# KiCad board PH60_Rev1.kicad_pcb
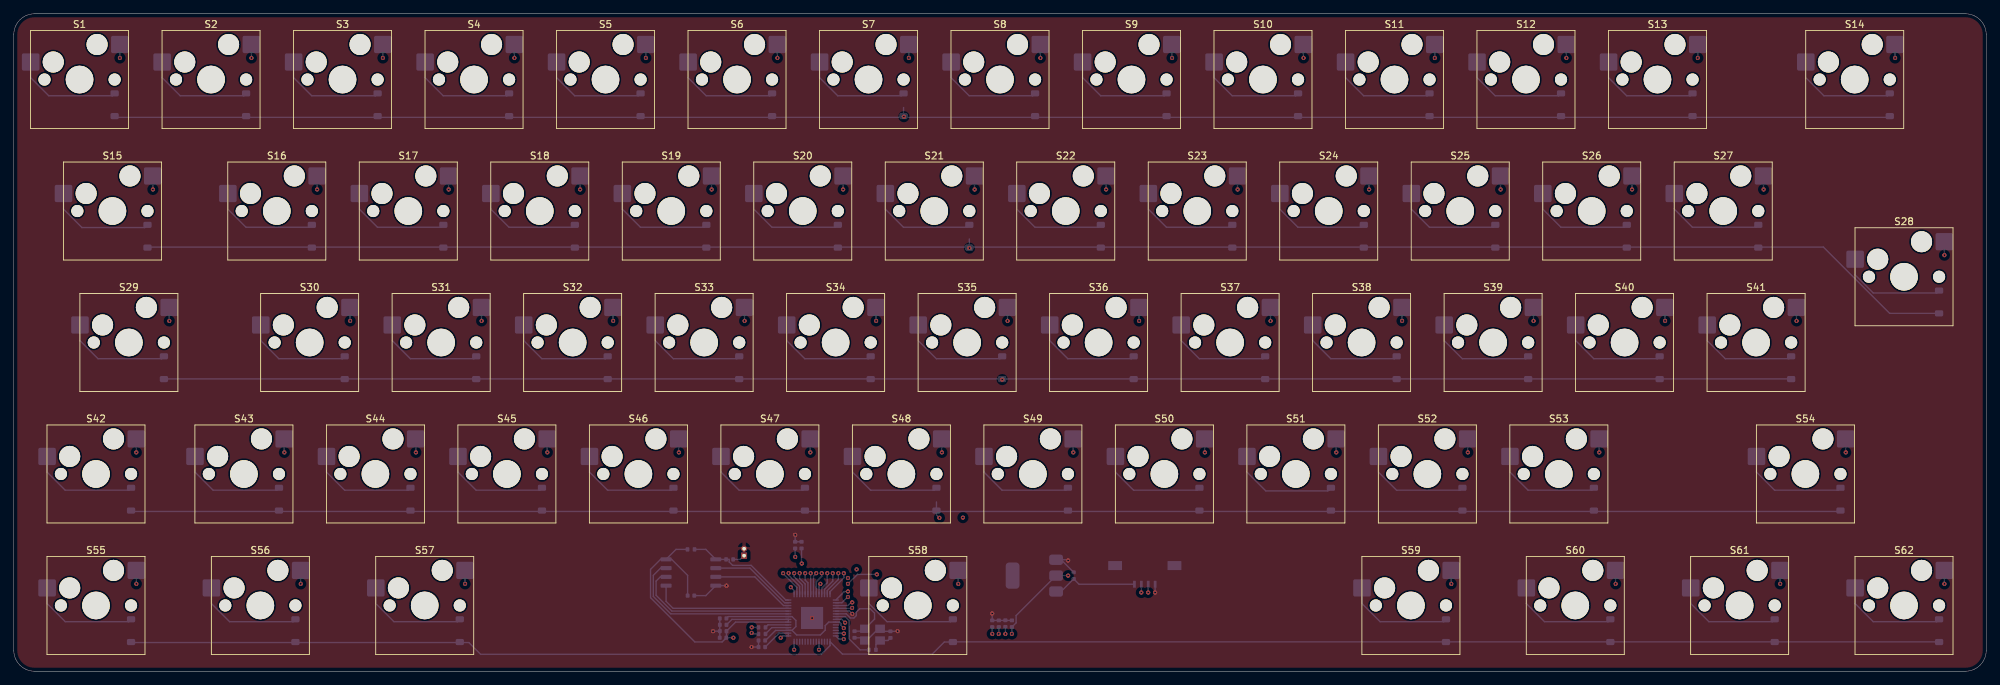
[diagram p0: board, top side]
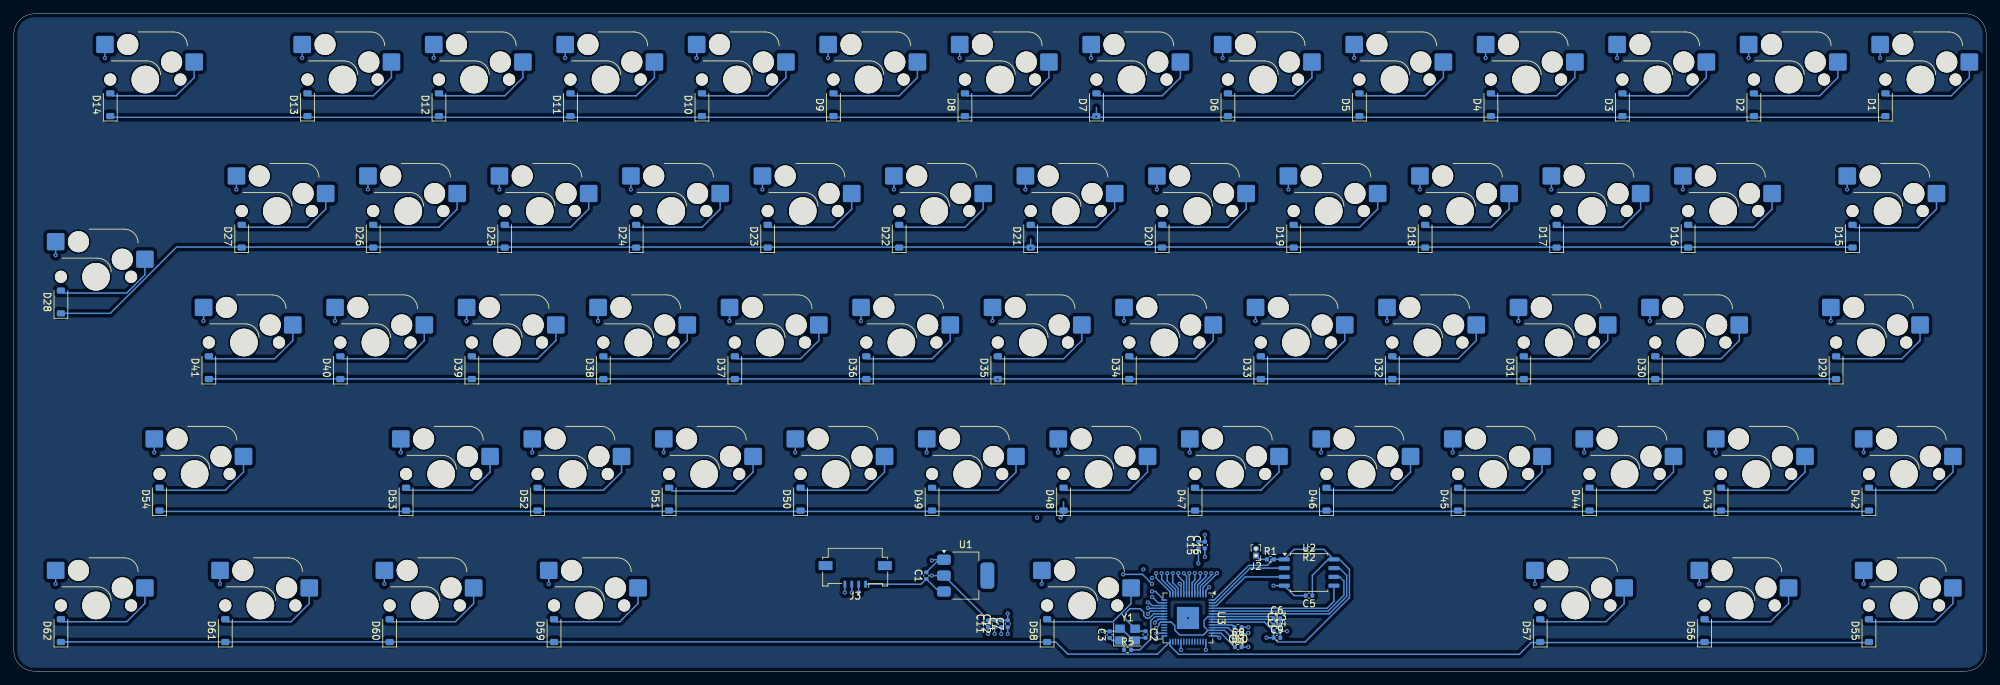
[diagram p1: board, bottom side, seen from below]

Outline 285.75 x 95.25 mm; copper layers: Top, In1.Cu, In2.Cu, Bottom. Coordinates in mm from the lower left corner of the outline.
Outline path: 0,92.25 0,3 arc(0.88,0.88) 3,0 282.75,0 arc(284.87,0.88) 285.75,3 285.75,92.25 arc(284.87,94.37) 282.75,95.25 3,95.25 arc(0.88,94.37) 0,92.25
Stack: Top 0.035mm / dielectric 0.1mm FR4 er 4.5 / In1.Cu 0.035mm / dielectric 1.24mm FR4 er 4.5 / In2.Cu 0.035mm / dielectric 0.1mm FR4 er 4.5 / Bottom 0.035mm

## Placement (name value [footprint] x y rotation side)
C1  10u  [C_0402_1005Metric]  153.55 13.85 90 bottom
C2  15p  [C_0402_1005Metric]  121.8 5.32 270 bottom
C3  15p  [C_0402_1005Metric]  127 5.3 90 bottom
C4  10u  [C_0402_1005Metric]  142.7 6.88 90 bottom
C5  100n  [C_0402_1005Metric]  98.1 10.95 0 bottom
C6  100n  [C_0402_1005Metric]  102.76 7.65 180 bottom
C7  100n  [C_0402_1005Metric]  141.75 6.88 90 bottom
C8  1u  [C_0402_1005Metric]  108.37 4.45 180 bottom
C9  100n  [C_0402_1005Metric]  102.75 4.85 180 bottom
C10  1u  [C_0402_1005Metric]  108.37 3.5 180 bottom
C11  100n  [C_0402_1005Metric]  144.6 6.88 90 bottom
C12  100n  [C_0402_1005Metric]  143.65 6.9 90 bottom
C13  100n  [C_0402_1005Metric]  102.77 6.72 180 bottom
C14  100n  [C_0402_1005Metric]  102.77 5.8 180 bottom
C15  100n  [C_0402_1005Metric]  114.12 18.27 90 bottom
C16  100n  [C_0402_1005Metric]  113.2 18.27 90 bottom
D1  DIODE  [D_SOD-123]  14.61 82.08 90 bottom
D2  DIODE  [D_SOD-123]  33.66 82.08 90 bottom
D3  DIODE  [D_SOD-123]  52.7 82.08 90 bottom
D4  DIODE  [D_SOD-123]  71.75 82.08 90 bottom
D5  DIODE  [D_SOD-123]  90.8 82.08 90 bottom
D6  DIODE  [D_SOD-123]  109.86 82.08 90 bottom
D7  DIODE  [D_SOD-123]  128.91 82.08 90 bottom
D8  DIODE  [D_SOD-123]  147.96 82.08 90 bottom
D9  DIODE  [D_SOD-123]  167.01 82.08 90 bottom
D10  DIODE  [D_SOD-123]  186.06 82.08 90 bottom
D11  DIODE  [D_SOD-123]  205.11 82.08 90 bottom
D12  DIODE  [D_SOD-123]  224.16 82.08 90 bottom
D13  DIODE  [D_SOD-123]  243.2 82.08 90 bottom
D14  DIODE  [D_SOD-123]  271.78 82.08 90 bottom
D15  DIODE  [D_SOD-123]  19.37 63.03 90 bottom
D16  DIODE  [D_SOD-123]  43.18 63.03 90 bottom
D17  DIODE  [D_SOD-123]  62.23 63.03 90 bottom
D18  DIODE  [D_SOD-123]  81.28 63.03 90 bottom
D19  DIODE  [D_SOD-123]  100.33 63.03 90 bottom
D20  DIODE  [D_SOD-123]  119.38 63.03 90 bottom
D21  DIODE  [D_SOD-123]  138.43 63.03 90 bottom
D22  DIODE  [D_SOD-123]  157.48 63.03 90 bottom
D23  DIODE  [D_SOD-123]  176.53 63.03 90 bottom
D24  DIODE  [D_SOD-123]  195.58 63.03 90 bottom
D25  DIODE  [D_SOD-123]  214.63 63.03 90 bottom
D26  DIODE  [D_SOD-123]  233.68 63.03 90 bottom
D27  DIODE  [D_SOD-123]  252.73 63.03 90 bottom
D28  DIODE  [D_SOD-123]  278.92 53.5 90 bottom
D29  DIODE  [D_SOD-123]  21.75 43.98 90 bottom
D30  DIODE  [D_SOD-123]  47.94 43.98 90 bottom
D31  DIODE  [D_SOD-123]  66.99 43.98 90 bottom
D32  DIODE  [D_SOD-123]  86.04 43.98 90 bottom
D33  DIODE  [D_SOD-123]  105.09 43.98 90 bottom
D34  DIODE  [D_SOD-123]  124.14 43.98 90 bottom
D35  DIODE  [D_SOD-123]  143.19 43.98 90 bottom
D36  DIODE  [D_SOD-123]  162.24 43.98 90 bottom
D37  DIODE  [D_SOD-123]  181.29 43.98 90 bottom
D38  DIODE  [D_SOD-123]  200.34 43.98 90 bottom
D39  DIODE  [D_SOD-123]  219.39 43.98 90 bottom
D40  DIODE  [D_SOD-123]  238.44 43.98 90 bottom
D41  DIODE  [D_SOD-123]  257.49 43.98 90 bottom
D42  DIODE  [D_SOD-123]  16.99 24.92 90 bottom
D43  DIODE  [D_SOD-123]  38.42 24.92 90 bottom
D44  DIODE  [D_SOD-123]  57.47 24.92 90 bottom
D45  DIODE  [D_SOD-123]  76.52 24.92 90 bottom
D46  DIODE  [D_SOD-123]  95.57 24.92 90 bottom
D47  DIODE  [D_SOD-123]  114.62 24.92 90 bottom
D48  DIODE  [D_SOD-123]  133.67 24.92 90 bottom
D49  DIODE  [D_SOD-123]  152.72 24.92 90 bottom
D50  DIODE  [D_SOD-123]  171.77 24.92 90 bottom
D51  DIODE  [D_SOD-123]  190.82 24.92 90 bottom
D52  DIODE  [D_SOD-123]  209.87 24.92 90 bottom
D53  DIODE  [D_SOD-123]  228.92 24.92 90 bottom
D54  DIODE  [D_SOD-123]  264.64 24.92 90 bottom
D55  DIODE  [D_SOD-123]  16.99 5.88 90 bottom
D56  DIODE  [D_SOD-123]  40.8 5.88 90 bottom
D57  DIODE  [D_SOD-123]  64.61 5.88 90 bottom
D58  DIODE  [D_SOD-123]  136.05 5.88 90 bottom
D59  DIODE  [D_SOD-123]  207.49 5.88 90 bottom
D60  DIODE  [D_SOD-123]  231.3 5.88 90 bottom
D61  DIODE  [D_SOD-123]  255.11 5.88 90 bottom
D62  DIODE  [D_SOD-123]  278.92 5.88 90 bottom
J2  Conn_01x02  [PinHeader_1x02_P1.00mm_Vertical]  105.8 16.75 0 bottom
J3  Conn_01x04  [Molex_200528-0040_1x04-1MP_P1.00mm_Horizontal]  163.85 13.51 0 bottom
R1  1k  [R_0402_1005Metric]  103.7 16.2 180 bottom
R2  DNF  [R_0402_1005Metric]  98.11 17.65 0 bottom
R3  27.4  [R_0402_1005Metric]  108.39 6.35 0 bottom
R4  27.4  [R_0402_1005Metric]  108.39 5.4 0 bottom
R5  1k  [R_0402_1005Metric]  124.39 3.1 180 bottom
S1  MX1A  [SW_Hotswap_Kailh_MX_1.00u]  9.53 85.72 0 top
S2  MX1A  [SW_Hotswap_Kailh_MX_1.00u]  28.57 85.72 0 top
S3  MX1A  [SW_Hotswap_Kailh_MX_1.00u]  47.62 85.72 0 top
S4  MX1A  [SW_Hotswap_Kailh_MX_1.00u]  66.67 85.72 0 top
S5  MX1A  [SW_Hotswap_Kailh_MX_1.00u]  85.72 85.72 0 top
S6  MX1A  [SW_Hotswap_Kailh_MX_1.00u]  104.77 85.72 0 top
S7  MX1A  [SW_Hotswap_Kailh_MX_1.00u]  123.83 85.72 0 top
S8  MX1A  [SW_Hotswap_Kailh_MX_1.00u]  142.88 85.72 0 top
S9  MX1A  [SW_Hotswap_Kailh_MX_1.00u]  161.93 85.72 0 top
S10  MX1A  [SW_Hotswap_Kailh_MX_1.00u]  180.98 85.72 0 top
S11  MX1A  [SW_Hotswap_Kailh_MX_1.00u]  200.03 85.72 0 top
S12  MX1A  [SW_Hotswap_Kailh_MX_1.00u]  219.08 85.72 0 top
S13  MX1A  [SW_Hotswap_Kailh_MX_1.00u]  238.12 85.72 0 top
S14  MX1A  [SW_Hotswap_Kailh_MX_2.00u]  266.7 85.72 0 top
S15  MX1A  [SW_Hotswap_Kailh_MX_1.50u]  14.29 66.68 0 top
S16  MX1A  [SW_Hotswap_Kailh_MX_1.00u]  38.1 66.68 0 top
S17  MX1A  [SW_Hotswap_Kailh_MX_1.00u]  57.15 66.68 0 top
S18  MX1A  [SW_Hotswap_Kailh_MX_1.00u]  76.2 66.68 0 top
S19  MX1A  [SW_Hotswap_Kailh_MX_1.00u]  95.25 66.68 0 top
S20  MX1A  [SW_Hotswap_Kailh_MX_1.00u]  114.3 66.68 0 top
S21  MX1A  [SW_Hotswap_Kailh_MX_1.00u]  133.35 66.68 0 top
S22  MX1A  [SW_Hotswap_Kailh_MX_1.00u]  152.4 66.68 0 top
S23  MX1A  [SW_Hotswap_Kailh_MX_1.00u]  171.45 66.68 0 top
S24  MX1A  [SW_Hotswap_Kailh_MX_1.00u]  190.5 66.68 0 top
S25  MX1A  [SW_Hotswap_Kailh_MX_1.00u]  209.55 66.68 0 top
S26  MX1A  [SW_Hotswap_Kailh_MX_1.00u]  228.6 66.68 0 top
S27  MX1A  [SW_Hotswap_Kailh_MX_1.00u]  247.65 66.68 0 top
S28  MX1A  [SW_Hotswap_Kailh_MX_ISOEnter]  273.84 57.15 0 top
S29  MX1A  [SW_Hotswap_Kailh_MX_1.75u]  16.67 47.62 0 top
S30  MX1A  [SW_Hotswap_Kailh_MX_1.00u]  42.86 47.62 0 top
S31  MX1A  [SW_Hotswap_Kailh_MX_1.00u]  61.91 47.62 0 top
S32  MX1A  [SW_Hotswap_Kailh_MX_1.00u]  80.96 47.62 0 top
S33  MX1A  [SW_Hotswap_Kailh_MX_1.00u]  100.01 47.62 0 top
S34  MX1A  [SW_Hotswap_Kailh_MX_1.00u]  119.06 47.62 0 top
S35  MX1A  [SW_Hotswap_Kailh_MX_1.00u]  138.11 47.62 0 top
S36  MX1A  [SW_Hotswap_Kailh_MX_1.00u]  157.16 47.62 0 top
S37  MX1A  [SW_Hotswap_Kailh_MX_1.00u]  176.21 47.62 0 top
S38  MX1A  [SW_Hotswap_Kailh_MX_1.00u]  195.26 47.62 0 top
S39  MX1A  [SW_Hotswap_Kailh_MX_1.00u]  214.31 47.62 0 top
S40  MX1A  [SW_Hotswap_Kailh_MX_1.00u]  233.36 47.62 0 top
S41  MX1A  [SW_Hotswap_Kailh_MX_1.00u]  252.41 47.62 0 top
S42  MX1A  [SW_Hotswap_Kailh_MX_1.25u]  11.91 28.58 0 top
S43  MX1A  [SW_Hotswap_Kailh_MX_1.00u]  33.34 28.58 0 top
S44  MX1A  [SW_Hotswap_Kailh_MX_1.00u]  52.39 28.58 0 top
S45  MX1A  [SW_Hotswap_Kailh_MX_1.00u]  71.44 28.58 0 top
S46  MX1A  [SW_Hotswap_Kailh_MX_1.00u]  90.49 28.58 0 top
S47  MX1A  [SW_Hotswap_Kailh_MX_1.00u]  109.54 28.58 0 top
S48  MX1A  [SW_Hotswap_Kailh_MX_1.00u]  128.59 28.58 0 top
S49  MX1A  [SW_Hotswap_Kailh_MX_1.00u]  147.64 28.58 0 top
S50  MX1A  [SW_Hotswap_Kailh_MX_1.00u]  166.69 28.58 0 top
S51  MX1A  [SW_Hotswap_Kailh_MX_1.00u]  185.74 28.58 0 top
S52  MX1A  [SW_Hotswap_Kailh_MX_1.00u]  204.79 28.58 0 top
S53  MX1A  [SW_Hotswap_Kailh_MX_1.00u]  223.84 28.58 0 top
S54  MX1A  [SW_Hotswap_Kailh_MX_2.75u]  259.56 28.58 0 top
S55  MX1A  [SW_Hotswap_Kailh_MX_1.25u]  11.91 9.53 0 top
S56  MX1A  [SW_Hotswap_Kailh_MX_1.25u]  35.72 9.53 0 top
S57  MX1A  [SW_Hotswap_Kailh_MX_1.25u]  59.53 9.53 0 top
S58  MX1A  [SW_Hotswap_Kailh_MX_6.25u]  130.97 9.53 0 top
S59  MX1A  [SW_Hotswap_Kailh_MX_1.25u]  202.41 9.53 0 top
S60  MX1A  [SW_Hotswap_Kailh_MX_1.25u]  226.22 9.53 0 top
S61  MX1A  [SW_Hotswap_Kailh_MX_1.25u]  250.03 9.53 0 top
S62  MX1A  [SW_Hotswap_Kailh_MX_1.25u]  273.84 9.53 0 top
U1  NCP1117-3.3_SOT223  [SOT-223]  147.85 13.85 180 bottom
U2  W25Q128JVS  [SOIC-8_5.23x5.23mm_P1.27mm]  98.1 14.3 180 bottom
U3  RP2040  [QFN-56-1EP_7x7mm_P0.4mm_EP3.2x3.2mm]  115.65 7.71 270 bottom
Y1  Crystal_GND24  [Crystal_SMD_3225-4Pin_3.2x2.5mm]  124.4 5.3 180 bottom

## Library data of the parts
C1-C16 = -: Description: Unpolarized capacitor; ki_fp_filters: C_*
D1-D62 = -: Description: Diode; Sim.Device: D; Sim.Pins: 1=K 2=A; ki_fp_filters: TO-???* *_Diode_* *SingleDiode* D_*
J2 = -: Description: Generic connector, single row, 01x02, script generated (kicad-library-utils/schlib/autogen/connector/); ki_fp_filters: Connector*:*_1x??_*
J3 = -: Description: Generic connector, single row, 01x04, script generated (kicad-library-utils/schlib/autogen/connector/); ki_fp_filters: Connector*:*_1x??_*
R1-R5 = -: Description: Resistor; ki_fp_filters: R_*
S1-S62 = -: Description: Push button switch, generic, two pins
U1 = -: Datasheet: http://www.onsemi.com/pub_link/Collateral/NCP1117-D.PDF; Description: 1A Low drop-out regulator, Fixed Output 3.3V, SOT-223; ki_fp_filters: SOT?223*TabPin2*
U2 = -: Datasheet: http://www.winbond.com/resource-files/w25q128jv_dtr%20revc%2003272018%20plus.pdf; Description: 128Mb Serial Flash Memory, Standard/Dual/Quad SPI, SOIC-8; ki_fp_filters: SOIC*5.23x5.23mm*P1.27mm*
U3 = -: Datasheet: https://datasheets.raspberrypi.com/rp2040/rp2040-datasheet.pdf; Description: A microcontroller by Raspberry Pi; ki_fp_filters: QFN*1EP*7x7mm?P0.4mm*
Y1 = -: Description: Four pin crystal, GND on pins 2 and 4; ki_fp_filters: Crystal*

## Footprints (pads in the part's own frame, mm; a bottom-side part is the same pattern mirrored in y, then rotated)
C_0402_1005Metric
  rrect 0.56x0.62 smd: 1(-0.48,0) 2(0.48,0)
Crystal_SMD_3225-4Pin_3.2x2.5mm
  rect 1.4x1.2 smd: 1(-1.1,-0.85) 2(1.1,-0.85) 3(1.1,0.85) 4(-1.1,0.85)
D_SOD-123
  rrect 0.9x1.2 smd: 1(-1.65,0) 2(1.65,0)
Molex_200528-0040_1x04-1MP_P1.00mm_Horizontal
  rect 0.4x1 smd: 1(-1.5,0.91) 2(-0.5,0.91) 3(0.5,0.91) 4(1.5,0.91)
  rect 2x1.3 smd: MP(-4.3,-1.79) MP(4.3,-1.79)
PinHeader_1x02_P1.00mm_Vertical
  rect 0.85x0.85 hole 0.5: 1(0,0)
  oval 0.85x0.85 hole 0.5: 2(0,-1)
QFN-56-1EP_7x7mm_P0.4mm_EP3.2x3.2mm
  rrect 1.29x1.29 smd: (-0.8,-0.8) (-0.8,0.8) (0.8,-0.8) (0.8,0.8)
  rrect 0.875x0.2 smd: 1(-3.438,2.6) 2(-3.438,2.2) 3(-3.438,1.8) 4(-3.438,1.4) 5(-3.438,1) 6(-3.438,0.6) 7(-3.438,0.2) 8(-3.438,-0.2) 9(-3.438,-0.6) 10(-3.438,-1) 11(-3.438,-1.4) 12(-3.438,-1.8) 13(-3.438,-2.2) 14(-3.438,-2.6) 29(3.438,-2.6) 30(3.438,-2.2) 31(3.438,-1.8) 32(3.438,-1.4) 33(3.438,-1) 34(3.438,-0.6) 35(3.438,-0.2) 36(3.438,0.2) 37(3.438,0.6) 38(3.438,1) 39(3.438,1.4) 40(3.438,1.8) 41(3.438,2.2) 42(3.438,2.6)
  rrect 0.2x0.875 smd: 15(-2.6,-3.438) 16(-2.2,-3.438) 17(-1.8,-3.438) 18(-1.4,-3.438) 19(-1,-3.438) 20(-0.6,-3.438) 21(-0.2,-3.438) 22(0.2,-3.438) 23(0.6,-3.438) 24(1,-3.438) 25(1.4,-3.438) 26(1.8,-3.438) 27(2.2,-3.438) 28(2.6,-3.438) 43(2.6,3.438) 44(2.2,3.438) 45(1.8,3.438) 46(1.4,3.438) 47(1,3.438) 48(0.6,3.438) 49(0.2,3.438) 50(-0.2,3.438) 51(-0.6,3.438) 52(-1,3.438) 53(-1.4,3.438) 54(-1.8,3.438) 55(-2.2,3.438) 56(-2.6,3.438)
  rect 3.2x3.2 smd: 57(0,0)
R_0402_1005Metric
  rrect 0.54x0.64 smd: 1(-0.51,0) 2(0.51,0)
SOIC-8_5.23x5.23mm_P1.27mm
  rrect 1.6x0.6 smd: 1(-3.6,1.905) 2(-3.6,0.635) 3(-3.6,-0.635) 4(-3.6,-1.905) 5(3.6,-1.905) 6(3.6,-0.635) 7(3.6,0.635) 8(3.6,1.905)
SOT-223
  rrect 2x1.5 smd: 1(-3.15,2.3) 2(-3.15,0) 3(-3.15,-2.3)
  rrect 2x3.8 smd: 4(3.15,0)
SW_Hotswap_Kailh_MX_1.00u
  round 1.75 hole 1.75 unplated: (-5.08,0) (5.08,0)
  round 3.05 hole 3.05 unplated: (-3.81,2.54) (2.54,5.08)
  round 4 hole 4 unplated: (0,0)
  rrect 2.55x2.5 smd far side: 1(-7.085,2.54) 2(5.842,5.08)
SW_Hotswap_Kailh_MX_1.25u
  round 1.75 hole 1.75 unplated: (-5.08,0) (5.08,0)
  round 3.05 hole 3.05 unplated: (-3.81,2.54) (2.54,5.08)
  round 4 hole 4 unplated: (0,0)
  rrect 2.55x2.5 smd far side: 1(-7.085,2.54) 2(5.842,5.08)
SW_Hotswap_Kailh_MX_1.50u
  round 1.75 hole 1.75 unplated: (-5.08,0) (5.08,0)
  round 3.05 hole 3.05 unplated: (-3.81,2.54) (2.54,5.08)
  round 4 hole 4 unplated: (0,0)
  rrect 2.55x2.5 smd far side: 1(-7.085,2.54) 2(5.842,5.08)
SW_Hotswap_Kailh_MX_1.75u
  round 1.75 hole 1.75 unplated: (-5.08,0) (5.08,0)
  round 3.05 hole 3.05 unplated: (-3.81,2.54) (2.54,5.08)
  round 4 hole 4 unplated: (0,0)
  rrect 2.55x2.5 smd far side: 1(-7.085,2.54) 2(5.842,5.08)
SW_Hotswap_Kailh_MX_2.00u
  round 1.75 hole 1.75 unplated: (-5.08,0) (5.08,0)
  round 3.05 hole 3.05 unplated: (-3.81,2.54) (2.54,5.08)
  round 4 hole 4 unplated: (0,0)
  rrect 2.55x2.5 smd far side: 1(-7.085,2.54) 2(5.842,5.08)
SW_Hotswap_Kailh_MX_2.75u
  round 1.75 hole 1.75 unplated: (-5.08,0) (5.08,0)
  round 3.05 hole 3.05 unplated: (-3.81,2.54) (2.54,5.08)
  round 4 hole 4 unplated: (0,0)
  rrect 2.55x2.5 smd far side: 1(-7.085,2.54) 2(5.842,5.08)
SW_Hotswap_Kailh_MX_6.25u
  round 1.75 hole 1.75 unplated: (-5.08,0) (5.08,0)
  round 3.05 hole 3.05 unplated: (-3.81,2.54) (2.54,5.08)
  round 4 hole 4 unplated: (0,0)
  rrect 2.55x2.5 smd far side: 1(-7.085,2.54) 2(5.842,5.08)
SW_Hotswap_Kailh_MX_ISOEnter
  round 1.75 hole 1.75 unplated: (-5.08,0) (5.08,0)
  round 3.05 hole 3.05 unplated: (-3.81,2.54) (2.54,5.08)
  round 4 hole 4 unplated: (0,0)
  rrect 2.55x2.5 smd far side: 1(-7.085,2.54) 2(5.842,5.08)

## Nets
+1V1: C6.1 C7.1 C8.1 U3.23 U3.45 U3.50
+3V3: C4.1 C5.1 C9.1 C10.1 C11.1 C12.1 C13.1 C14.1 C15.1 C16.1 R2.1 U1.2 U2.8 U3.1 U3.10 U3.22 U3.33 U3.42 U3.43 U3.44 U3.48 U3.49
GND: C1.2 C2.2 C3.2 C4.2 C5.2 C6.2 C7.2 C8.2 C9.2 C10.2 C11.2 C12.2 C13.2 C14.2 C15.2 C16.2 J2.2 J3.4 U1.1 U2.4 U3.19 U3.57 Y1.2 Y1.4
VBUS: C1.1 J3.1 U1.3
/QSPI_SCLK: U2.6 U3.52
/QSPI_SD0: U2.5 U3.53
/QSPI_SD1: U2.2 U3.55
/QSPI_SD2: U2.3 U3.54
/QSPI_SD3: U2.7 U3.51
/QSPI_SS: R1.2 R2.2 U2.1 U3.56
/RUN: U3.26
/SWCLK: U3.24
/SWD: U3.25
/USB_D+: J3.3 R3.1
/USB_D-: J3.2 R4.1
/XIN: C2.1 U3.20 Y1.3
/XOUT: R5.2 U3.21
/~{USB_BOOT}: J2.1 R1.1
col_0: S1.2 S15.2 S29.2 S42.2 S55.2 U3.2
col_1: S2.2 S16.2 S30.2 S43.2 S56.2 U3.3
col_2: S3.2 S17.2 S31.2 S44.2 S57.2 U3.4
col_3: S4.2 S18.2 S32.2 S45.2 U3.5
col_4: S5.2 S19.2 S33.2 S46.2 U3.6
col_5: S6.2 S20.2 S34.2 S47.2 U3.7
col_6: S7.2 S21.2 S35.2 S48.2 S58.2 U3.8
col_7: S8.2 S22.2 S36.2 S49.2 U3.9
col_8: S9.2 S23.2 S37.2 S50.2 U3.11
col_9: S10.2 S24.2 S38.2 S51.2 S59.2 U3.12
col_10: S11.2 S25.2 S39.2 S52.2 S60.2 U3.13
col_11: S12.2 S26.2 S40.2 S53.2 S61.2 U3.14
col_12: S13.2 S27.2 U3.15
col_13: S14.2 S28.2 S41.2 S54.2 S62.2 U3.16
row_0: D1.1 D2.1 D3.1 D4.1 D5.1 D6.1 D7.1 D8.1 D9.1 D10.1 D11.1 D12.1 D13.1 D14.1 U3.17
row_1: D15.1 D16.1 D17.1 D18.1 D19.1 D20.1 D21.1 D22.1 D23.1 D24.1 D25.1 D26.1 D27.1 D28.1 U3.18
row_2: D29.1 D30.1 D31.1 D32.1 D33.1 D34.1 D35.1 D36.1 D37.1 D38.1 D39.1 D40.1 D41.1 U3.27
row_3: D42.1 D43.1 D44.1 D45.1 D46.1 D47.1 D48.1 D49.1 D50.1 D51.1 D52.1 D53.1 D54.1 U3.28
row_4: D55.1 D56.1 D57.1 D58.1 D59.1 D60.1 D61.1 D62.1 U3.29
Net-(C3-Pad1): C3.1 R5.1 Y1.1
Net-(D1-A): D1.2 S1.1
Net-(D2-A): D2.2 S2.1
Net-(D3-A): D3.2 S3.1
Net-(D4-A): D4.2 S4.1
Net-(D5-A): D5.2 S5.1
Net-(D6-A): D6.2 S6.1
Net-(D7-A): D7.2 S7.1
Net-(D8-A): D8.2 S8.1
Net-(D9-A): D9.2 S9.1
Net-(D10-A): D10.2 S10.1
Net-(D11-A): D11.2 S11.1
Net-(D12-A): D12.2 S12.1
Net-(D13-A): D13.2 S13.1
Net-(D14-A): D14.2 S14.1
Net-(D15-A): D15.2 S15.1
Net-(D16-A): D16.2 S16.1
Net-(D17-A): D17.2 S17.1
Net-(D18-A): D18.2 S18.1
Net-(D19-A): D19.2 S19.1
Net-(D20-A): D20.2 S20.1
Net-(D21-A): D21.2 S21.1
Net-(D22-A): D22.2 S22.1
Net-(D23-A): D23.2 S23.1
Net-(D24-A): D24.2 S24.1
Net-(D25-A): D25.2 S25.1
Net-(D26-A): D26.2 S26.1
Net-(D27-A): D27.2 S27.1
Net-(D28-A): D28.2 S28.1
Net-(D29-A): D29.2 S29.1
Net-(D30-A): D30.2 S30.1
Net-(D31-A): D31.2 S31.1
Net-(D32-A): D32.2 S32.1
Net-(D33-A): D33.2 S33.1
Net-(D34-A): D34.2 S34.1
Net-(D35-A): D35.2 S35.1
Net-(D36-A): D36.2 S36.1
Net-(D37-A): D37.2 S37.1
Net-(D38-A): D38.2 S38.1
Net-(D39-A): D39.2 S39.1
Net-(D40-A): D40.2 S40.1
Net-(D41-A): D41.2 S41.1
Net-(D42-A): D42.2 S42.1
Net-(D43-A): D43.2 S43.1
Net-(D44-A): D44.2 S44.1
Net-(D45-A): D45.2 S45.1
Net-(D46-A): D46.2 S46.1
Net-(D47-A): D47.2 S47.1
Net-(D48-A): D48.2 S48.1
Net-(D49-A): D49.2 S49.1
Net-(D50-A): D50.2 S50.1
Net-(D51-A): D51.2 S51.1
Net-(D52-A): D52.2 S52.1
Net-(D53-A): D53.2 S53.1
Net-(D54-A): D54.2 S54.1
Net-(D55-A): D55.2 S55.1
Net-(D56-A): D56.2 S56.1
Net-(D57-A): D57.2 S57.1
Net-(D58-A): D58.2 S58.1
Net-(D59-A): D59.2 S59.1
Net-(D60-A): D60.2 S60.1
Net-(D61-A): D61.2 S61.1
Net-(D62-A): D62.2 S62.1
Net-(U3-USB_DM): R4.2 U3.46
Net-(U3-USB_DP): R3.2 U3.47

Pads without a net: J3 MP; U1 4; U3 30 31 32 34 35 36 37 38 39 40 41

## Via types
v1: diameter 0.6, hole 0.3, Top to Bottom, 118 vias

## Routing (per net, layer and track width the routed paths; a pad name or vN(x,y) marks a point on that pad's centre or on a via; arc(x,y) is an arc through that point)
+1V1: length 53.2
  In2.Cu w0.2: v1(141.75,5.4) 138.85,2.5 121.55,2.5 119.65,4.4 119.65,5.7 120.2,6.25 v1(120.25,6.25)
  Bottom w0.2: 112.75,5.91 113.41,5.25 116.85,5.25 117.55,5.95 117.55,6.6 118.06,7.11 U3.23 119.62,7.11 119.83,6.91 119.83,6.67 v1(120.25,6.25) ; 112.75,5.91 113.3,6.47 113.3,7.36 112.75,7.91 U3.50 103.5,7.91 C6.1 ; 112.75,5.91 U3.45 110.36,5.91 108.9,4.45 C8.1 ; C7.1 v1(141.75,5.4)
+3V3: length 199.4
  In1.Cu w0.2: v1(144.6,5.4) 141.7,2.5 113.65,2.5 v1(113.05,3.1) ; v1(116.65,3.1) 116.85,2.9 141.15,2.9 v1(143.65,5.4) ; v1(113.2,16.55) 111.65,16.55 110.3,15.2 110.3,13.7 111.83,12.17 v1(112.57,12.17) ; v1(116.85,12.66) 115.91,13.6 111.2,13.6 110.85,13.95 110.85,14.45 112,15.6 v1(114.15,15.6)
  In2.Cu w0.2: v1(142.7,5.4) 139.4,2.1 121.39,2.1 119.25,4.24 119.25,6.1 120.18,7.03 v1(120.44,7.03) ; v1(111.1,4.85) v1(104.25,4.85)
  Bottom w0.2: v1(116.85,12.66) 116.65,12.46 U3.10 ; U2.8 93.7,16.2 92.25,14.75 92.25,10.65 98.66,4.24 102.62,4.24 C9.1 ; U2.8 95.3,16.2 97.62,13.88 C5.1 ; U2.8 95.94,17.65 R2.1 ; v1(120.44,7.03) 119.95,7.51 U3.22 ; C16.1 v1(113.2,16.55) ; v1(112.57,12.17) 113.05,11.69 U3.1 ; C9.1 103.25,4.87 C14.1 104.56,7.11 U3.48 U3.49 104.04,7.51 C13.1 ; C9.1 v1(104.25,4.85) ; C12.1 v1(143.65,5.4) ; v1(144.6,5.4) C11.1 145.21,7.01 145.21,8.06 U1.2 v1(152.75,13.85) ; U3.42 v1(113.05,3.1) ; C15.1 114.12,15.63 v1(114.15,15.6) ; C10.1 110.86,5.51 U3.44 U3.43 111.36,5.11 v1(111.1,4.85) ; C4.1 v1(142.7,5.4) ; U3.33 v1(116.65,3.1)
GND: length 32.9
  Bottom w0.2: C15.2 C16.2 v1(113.2,19.75) ; 102.28,7.65 102.28,4.86 C9.2 ; C8.2 C10.2 v1(106.9,3.5) ; C11.2 C7.2 v1(141.75,8.35) ; v1(128.05,5.8) 128.03,5.78 C3.2 125.87,5.78 Y1.4 125.25,6.15 123.55,4.45 Y1.2 122.91,4.84 C2.2 ; C14.2 v1(101.3,5.8) ; 153.55,14.33 151.73,16.15 U1.1 152.65,16.15 v1(152.75,16.05) ; v1(103.25,12.4) 103.24,12.39 U2.4 100.26,10.95 C5.2 ; v1(121.46,8.31) 121.05,8.71 U3.19 ; J3.4 v1(165.35,11.4) ; U3.57 v1(115.65,7.7)
VBUS: length 12.4
  Bottom w0.2: 151,11.55 151.73,11.55 C1.1 154.32,12.6 J3.1
/QSPI_SCLK: length 23.9
  Bottom w0.2: U2.6 93.66,13.67 93.05,13.05 93.05,11 95.34,8.71 U3.52
/QSPI_SD0: length 20.4
  Bottom w0.2: U2.5 94.5,10.12 95.5,9.11 U3.53
/QSPI_SD1: length 12.6
  Bottom w0.2: U2.2 106.66,14.94 111.68,9.91 U3.55
/QSPI_SD2: length 12.2
  Bottom w0.2: U3.54 111.51,9.51 107.36,13.67 U2.3
/QSPI_SD3: length 25.9
  Bottom w0.2: U2.7 93.7,14.94 92.65,13.88 92.65,10.83 95.17,8.31 U3.51
/QSPI_SS: length 16.8
  Bottom w0.2: U3.56 111.84,10.31 106.82,15.34 104.14,15.34 103.64,15.83 103.64,16.2 103.19,16.2 103.18,16.2 U2.1 100.26,17.65 R2.2
/USB_D+: length 67.1
  In1.Cu w0.2: v1(164.35,11.4) 154.65,1.7 109.9,1.7 106.3,5.3 106.3,5.8 106.85,6.35 v1(106.9,6.35)
  Bottom w0.2: R3.1 v1(106.9,6.35) ; J3.3 v1(164.35,11.4)
/USB_D-: length 64
  In1.Cu w0.2: v1(106.9,5.55) 110.35,2.1 154.05,2.1 v1(163.35,11.4)
  Bottom w0.2: R4.1 107.05,5.4 v1(106.9,5.55) ; J3.2 v1(163.35,11.4)
/XIN: length 11.5
  Bottom w0.2: C2.1 122.95,5.8 Y1.3 124.7,7.55 124.7,8.42 124.07,9.05 122.55,9.05 122.06,8.56 122.06,8.06 121.71,7.71 121.21,7.71 120.6,8.31 U3.20
/XOUT: length 8.3
  Bottom w0.2: R5.2 122.6,3.1 121.04,4.67 121.04,7.31 120.44,7.91 U3.21
/~{USB_BOOT}: length 1.8
  Bottom w0.2: J2.1 105.25,16.2 R1.1
col_0: length 196.1
  In1.Cu w0.2: v1(15.38,88.85) 20.15,84.08 v1(20.15,69.8) 22.53,67.43 v1(22.53,50.75) 22.53,50.16 17.75,45.38 v1(17.75,31.7) 18.21,31.24 18.21,13.11 v1(17.75,12.65)
  In2.Cu w0.2: v1(111.45,14.2) 100.62,25.03 24.43,25.03 v1(17.75,31.7)
  Bottom w0.2: S29.2 22.51,50.76 v1(22.53,50.75) ; S42.2 v1(17.75,31.7) ; S15.2 20.13,69.82 v1(20.15,69.8) ; v1(15.38,88.85) 15.37,88.86 S1.2 ; v1(17.75,12.65) 17.75,12.65 S55.2 ; v1(111.45,14.2) 111.45,14.14 113.45,12.14 U3.2
col_1: length 180.9
  In1.Cu w0.2: v1(34.42,88.85) 43.95,79.33 v1(43.95,69.8) 48.72,65.03 v1(48.72,50.75) 48.72,50.16 39.2,40.64 v1(39.2,31.7) 41.58,29.33 v1(41.58,12.65)
  In2.Cu w0.2: v1(112.25,14.2) 112.25,14.25 101.07,25.42 45.47,25.42 v1(39.2,31.7)
  Bottom w0.2: v1(112.25,14.2) 112.25,13.91 113.85,12.31 U3.3 ; S30.2 48.7,50.77 v1(48.72,50.75) ; v1(39.2,31.7) 39.18,31.72 S43.2 ; S16.2 43.94,69.81 v1(43.95,69.8) ; v1(34.42,88.85) 34.42,88.86 S2.2 ; S56.2 41.56,12.66 v1(41.58,12.65)
col_2: length 164.4
  In1.Cu w0.2: v1(53.47,88.85) 63,79.33 v1(63,69.8) 67.77,65.03 v1(67.77,50.75) 67.77,50.16 58.25,40.64 v1(58.25,31.7) 65.38,24.58 v1(65.38,12.65)
  In2.Cu w0.2: v1(113.05,14.2) 113.05,14.25 101.47,25.83 64.12,25.83 v1(58.25,31.7)
  Bottom w0.2: v1(53.47,88.85) 53.47,88.86 S3.2 ; S44.2 58.23,31.72 v1(58.25,31.7) ; U3.4 114.25,12.47 113.05,13.67 v1(113.05,14.2) ; S57.2 65.37,12.65 v1(65.38,12.65) ; v1(63,69.8) 62.99,69.81 S17.2 ; S31.2 67.75,50.77 v1(67.77,50.75)
col_3: length 122.1
  In1.Cu w0.2: v1(77.3,31.7) 77.3,40.64 86.83,50.16 v1(86.83,50.75) 86.83,65.03 v1(82.05,69.8) 82.05,79.33 v1(72.52,88.85)
  In2.Cu w0.2: v1(113.85,14.2) 113.85,14.25 101.87,26.23 82.77,26.23 v1(77.3,31.7)
  Bottom w0.2: v1(72.52,88.85) 72.52,88.86 S4.2 ; v1(82.05,69.8) 82.04,69.81 S18.2 ; v1(77.3,31.7) 77.28,31.72 S45.2 ; v1(86.83,50.75) 86.8,50.77 S32.2 ; U3.5 114.65,12.64 113.85,13.44 v1(113.85,14.2)
col_4: length 103.7
  In1.Cu w0.2: v1(96.35,31.7) 96.35,40.64 105.87,50.16 v1(105.87,50.75) 105.87,65.03 v1(101.1,69.8) 101.1,79.33 v1(91.58,88.85)
  In2.Cu w0.2: v1(114.65,14.2) 114.65,14.25 97.2,31.7 v1(96.35,31.7)
  Bottom w0.2: v1(96.35,31.7) 96.33,31.72 S46.2 ; S19.2 101.09,69.81 v1(101.1,69.8) ; v1(114.65,14.2) 114.65,13.2 115.05,12.8 U3.6 ; v1(105.87,50.75) 105.85,50.77 S33.2 ; v1(91.58,88.85) 91.57,88.86 S5.2
col_5: length 95.8
  In1.Cu w0.2: v1(115.4,31.7) 115.4,40.64 124.92,50.16 v1(124.92,50.75) 124.92,65.03 v1(120.15,69.8) 120.15,79.33 v1(110.62,88.85)
  In2.Cu w0.2: v1(115.4,31.7) 115.84,31.26 115.84,28.07 115.45,27.68 v1(115.45,14.2)
  Bottom w0.2: v1(110.62,88.85) 110.62,88.86 S6.2 ; S47.2 115.38,31.72 v1(115.4,31.7) ; S20.2 120.14,69.81 v1(120.15,69.8) ; U3.7 v1(115.45,14.2) ; v1(124.92,50.75) 124.9,50.77 S34.2
col_6: length 125.9
  In1.Cu w0.2: v1(136.83,12.65) 136.83,29.33 v1(134.45,31.7) 134.45,40.64 143.98,50.16 v1(143.98,50.75) 143.98,65.03 v1(139.2,69.8) 139.2,79.33 v1(129.68,88.85)
  In2.Cu w0.2: v1(134.45,31.7) 134.45,31.1 129.58,26.23 128.23,26.23 116.25,14.25 v1(116.25,14.2)
  Bottom w0.2: v1(129.68,88.85) 129.67,88.86 S7.2 ; v1(136.83,12.65) 136.81,12.66 S58.2 ; v1(116.25,14.2) 116.25,14.15 115.85,13.75 U3.8 ; v1(139.2,69.8) 139.19,69.81 S21.2 ; v1(143.98,50.75) 143.95,50.77 S35.2 ; v1(134.45,31.7) 134.43,31.72 S48.2
col_7: length 122.3
  In1.Cu w0.2: v1(148.73,88.85) 158.25,79.33 v1(158.25,69.8) 163.03,65.03 v1(163.03,50.75) 163.03,50.16 153.5,40.64 v1(153.5,31.7)
  In2.Cu w0.2: v1(117.05,14.2) 117.05,14.25 128.63,25.83 148.21,25.83 153.5,31.11 v1(153.5,31.7)
  Bottom w0.2: v1(163.03,50.75) 163,50.77 S36.2 ; S49.2 153.48,31.72 v1(153.5,31.7) ; U3.9 116.25,12.95 117.05,13.75 v1(117.05,14.2) ; v1(148.73,88.85) 148.72,88.86 S8.2 ; S22.2 158.24,69.81 v1(158.25,69.8)
col_8: length 140.6
  In1.Cu w0.2: v1(167.8,88.85) 177.3,79.35 v1(177.3,69.8) 182.08,65.03 v1(182.08,50.75) 182.08,50.16 172.55,40.64 v1(172.55,31.7)
  In2.Cu w0.2: v1(172.55,31.7) 172.55,31.11 166.86,25.42 129.03,25.42 117.85,14.25 v1(117.85,14.2)
  Bottom w0.2: v1(117.85,14.2) 117.85,12.82 117.05,12.02 U3.11 ; S9.2 167.77,88.88 v1(167.8,88.85) ; S23.2 177.29,69.81 v1(177.3,69.8) ; S50.2 172.53,31.72 v1(172.55,31.7) ; v1(182.08,50.75) 182.05,50.77 S37.2
col_9: length 186.9
  In1.Cu w0.2: v1(208.25,12.65) 208.25,15.05 v1(191.6,31.7) 191.6,40.64 201.12,50.16 v1(201.12,50.75) 201.12,65.03 v1(196.35,69.8) 196.35,79.35 v1(186.85,88.85)
  In2.Cu w0.2: v1(118.65,14.2) 118.65,14.25 129.43,25.03 185.53,25.03 191.6,31.1 v1(191.6,31.7)
  Bottom w0.2: S10.2 186.82,88.88 v1(186.85,88.85) ; S38.2 201.1,50.77 v1(201.12,50.75) ; S24.2 196.34,69.81 v1(196.35,69.8) ; v1(191.6,31.7) 191.58,31.72 S51.2 ; S59.2 208.25,12.65 v1(208.25,12.65) ; U3.12 117.45,11.85 118.65,13.05 v1(118.65,14.2)
col_10: length 209.4
  In1.Cu w0.2: v1(205.88,88.85) 215.4,79.33 v1(215.4,69.8) 220.18,65.03 v1(220.18,50.75) 220.18,50.16 210.65,40.64 v1(210.65,31.7) 225.87,16.48 229.54,16.48 232.07,13.94 v1(232.07,12.65)
  In2.Cu w0.2: v1(119.45,14.2) 119.45,14.25 129.83,24.62 204.18,24.62 210.65,31.1 v1(210.65,31.7)
  Bottom w0.2: S52.2 210.63,31.72 v1(210.65,31.7) ; v1(215.4,69.8) 215.39,69.81 S25.2 ; S39.2 220.15,50.77 v1(220.18,50.75) ; v1(205.88,88.85) 205.87,88.86 S11.2 ; U3.13 117.85,11.68 119.45,13.28 v1(119.45,14.2) ; S60.2 232.06,12.66 v1(232.07,12.65)
col_11: length 232.6
  In1.Cu w0.2: v1(255.9,12.65) 255.9,13.93 238.13,31.7 v1(229.7,31.7) 229.7,40.64 239.23,50.16 v1(239.23,50.75) 239.23,64.97 234.45,69.75 v1(234.45,69.8) 234.45,79.33 v1(224.93,88.85)
  In2.Cu w0.2: v1(229.7,31.7) 229.7,31.11 222.81,24.23 130.28,24.23 v1(120.25,14.2)
  Bottom w0.2: S12.2 224.92,88.86 v1(224.93,88.85) ; v1(229.7,31.7) 229.68,31.72 S53.2 ; U3.14 118.25,11.52 120.25,13.52 v1(120.25,14.2) ; v1(255.9,12.65) 255.87,12.68 S61.2 ; S40.2 239.2,50.77 v1(239.23,50.75) ; S26.2 234.44,69.81 v1(234.45,69.8)
col_12: length 196.7
  In1.Cu w0.2: v1(243.98,88.85) 253.5,79.33 v1(253.5,69.8)
  In2.Cu w0.2: v1(253.5,69.8) 253.5,69.2 246.1,61.8 246.1,44.03 225.9,23.83 133.12,23.83 v1(120.85,11.55)
  Bottom w0.2: U3.15 120.33,11.55 v1(120.85,11.55) ; S27.2 253.49,69.81 v1(253.5,69.8) ; v1(243.98,88.85) 243.97,88.86 S13.2
col_13: length 270.5
  In1.Cu w0.2: v1(272.55,88.85) 279.7,81.7 v1(279.7,60.28) 279.7,59.68 270.77,50.75 v1(258.28,50.75) 265.4,43.62 v1(265.4,31.7) 279.7,17.4 v1(279.7,12.65)
  In2.Cu w0.2: v1(120.85,10.75) 120.9,10.75 133.57,23.42 231.54,23.42 258.28,50.16 v1(258.28,50.75)
  Bottom w0.2: U3.16 119.96,9.91 120.8,10.75 v1(120.85,10.75) ; S62.2 279.69,12.66 v1(279.7,12.65) ; S41.2 258.25,50.77 v1(258.28,50.75) ; S14.2 272.54,88.86 v1(272.55,88.85) ; v1(265.4,31.7) 265.4,31.7 S54.2 ; S28.2 279.69,60.29 v1(279.7,60.28)
row_0: length 336.6
  In1.Cu w0.2: v1(128.95,80.35) 126.45,77.85 126.45,40.6 119.15,33.3 119.15,16.15 121.45,13.85 121.45,9.98 v1(121.47,9.97)
  Bottom w0.2: v1(121.47,9.97) 121.45,9.94 121.26,9.94 120.83,9.51 U3.17 ; 128.91,81.67 128.91,80.4 v1(128.95,80.35) ; D1.1 14.78,80.25 271.61,80.25 D14.1
row_1: length 328.6
  In1.Cu w0.2: v1(121.44,9.17) 121.52,9.17 122.07,9.72 122.07,13.8 119.55,16.31 119.55,33.13 126.85,40.43 126.85,49.7 v1(138.45,61.3)
  Bottom w0.2: 138.43,62.62 138.43,61.32 v1(138.45,61.3) ; D15.1 19.44,61.45 262.17,61.45 271.77,51.85 D28.1 ; v1(121.44,9.17) 121.39,9.11 U3.18
row_2: length 288.2
  In1.Cu w0.2: v1(143.2,42.25) 137.5,36.55 v1(137.5,22.25) ; v1(120.85,12.65) 119.35,11.15 119.35,6.3 120.2,5.45 v1(120.25,5.45)
  In2.Cu w0.2: v1(125.02,14.03) 131.95,20.95 136.2,20.95 v1(137.5,22.25)
  Bottom w0.2: D41.1 257.47,42.35 21.77,42.35 D29.1 ; U3.27 120.19,5.51 v1(120.25,5.45) ; v1(120.85,12.65) 122.23,14.03 v1(125.02,14.03) ; 143.19,42.26 v1(143.2,42.25)
row_3: length 279.1
  In1.Cu w0.2: v1(122.1,14.75) 126.05,18.7 131.35,18.7 134.1,21.45 v1(134.1,22.23) ; v1(120.25,4.65) 120.2,4.65 118.95,5.9 118.95,11.6 v1(120.85,13.5)
  In2.Cu w0.2: v1(120.85,13.5) v1(122.1,14.75)
  Bottom w0.2: D42.1 17.11,23.15 264.51,23.15 D54.1 ; v1(120.25,4.65) 119.55,4.65 U3.28 ; 133.67,24.52 133.67,22.66 v1(134.1,22.23)
row_4: length 265.3
  Bottom w0.2: D55.1 17.06,4.15 65.93,4.15 67.63,2.45 117,2.45 118.25,3.7 U3.29 120.05,2.48 133.06,2.48 134.8,4.23 D58.1 136.07,4.25 278.9,4.25 D62.1
Net-(C3-Pad1): length 3.3
  Bottom w0.2: R5.1 124.9,3.85 Y1.1 126.63,4.45 127,4.82
Net-(D1-A): length 15.7
  Bottom w0.2: 14.61,83.72 14.26,83.38 5.06,83.38 2.44,86 S1.1
Net-(D2-A): length 15.7
  Bottom w0.2: 33.66,83.72 33.31,83.38 24.11,83.38 21.49,86 S2.1
Net-(D3-A): length 15.7
  Bottom w0.2: S3.1 40.54,86 43.16,83.38 52.36,83.38 52.7,83.72
Net-(D4-A): length 15.7
  Bottom w0.2: 71.75,83.72 71.41,83.38 62.21,83.38 59.59,86 S4.1
Net-(D5-A): length 15.7
  Bottom w0.2: 90.8,83.72 90.46,83.38 81.26,83.38 78.64,86 S5.1
Net-(D6-A): length 15.7
  Bottom w0.2: 109.86,83.72 109.51,83.38 100.31,83.38 97.69,86 S6.1
Net-(D7-A): length 15.7
  Bottom w0.2: 128.91,83.72 128.56,83.38 119.36,83.38 116.74,86 S7.1
Net-(D8-A): length 15.7
  Bottom w0.2: 147.96,83.72 147.61,83.38 138.41,83.38 135.79,86 S8.1
Net-(D9-A): length 15.7
  Bottom w0.2: 167.01,83.72 166.66,83.38 157.46,83.38 154.84,86 S9.1
Net-(D10-A): length 15.7
  Bottom w0.2: S10.1 173.89,86 176.51,83.38 185.71,83.38 186.06,83.72
Net-(D11-A): length 15.7
  Bottom w0.2: S11.1 192.94,86 195.56,83.38 204.76,83.38 205.11,83.72
Net-(D12-A): length 15.7
  Bottom w0.2: 224.16,83.72 223.81,83.38 214.61,83.38 211.99,86 S12.1
Net-(D13-A): length 15.7
  Bottom w0.2: 243.2,83.72 242.86,83.38 233.66,83.38 231.04,86 S13.1
Net-(D14-A): length 15.7
  Bottom w0.2: 271.78,83.72 271.44,83.38 262.24,83.38 259.62,86 S14.1
Net-(D15-A): length 15.7
  Bottom w0.2: S15.1 7.2,66.95 9.88,64.28 18.97,64.28 19.37,64.67
Net-(D16-A): length 15.7
  Bottom w0.2: S16.1 31.02,66.95 33.64,64.33 42.83,64.33 43.18,64.67
Net-(D17-A): length 15.7
  Bottom w0.2: 62.23,64.67 61.88,64.33 52.69,64.33 50.06,66.95 S17.1
Net-(D18-A): length 15.7
  Bottom w0.2: S18.1 69.11,66.95 71.74,64.33 80.94,64.33 81.28,64.67
Net-(D19-A): length 15.7
  Bottom w0.2: 100.33,64.67 99.98,64.33 90.79,64.33 88.16,66.95 S19.1
Net-(D20-A): length 15.7
  Bottom w0.2: 119.38,64.67 119.04,64.33 109.84,64.33 107.21,66.95 S20.1
Net-(D21-A): length 15.7
  Bottom w0.2: 138.43,64.67 138.09,64.33 128.89,64.33 126.27,66.95 S21.1
Net-(D22-A): length 15.7
  Bottom w0.2: S22.1 145.31,66.95 147.94,64.33 157.14,64.33 157.48,64.67
Net-(D23-A): length 15.7
  Bottom w0.2: 176.53,64.67 176.19,64.33 166.99,64.33 164.37,66.95 S23.1
Net-(D24-A): length 15.7
  Bottom w0.2: S24.1 183.42,66.95 186.04,64.33 195.24,64.33 195.58,64.67
Net-(D25-A): length 15.7
  Bottom w0.2: 214.63,64.67 214.29,64.33 205.09,64.33 202.47,66.95 S25.1
Net-(D26-A): length 15.7
  Bottom w0.2: S26.1 221.52,66.95 224.14,64.33 233.34,64.33 233.68,64.67
Net-(D27-A): length 15.7
  Bottom w0.2: S27.1 240.56,66.95 243.19,64.33 252.38,64.33 252.73,64.67
Net-(D28-A): length 15.7
  Bottom w0.2: 266.76,59.69 266.76,57.42 269.38,54.8 278.58,54.8 278.92,55.14
Net-(D29-A): length 15.7
  Bottom w0.2: S29.1 9.58,47.9 12.21,45.28 21.4,45.28 21.75,45.62
Net-(D30-A): length 15.7
  Bottom w0.2: 47.94,45.62 47.6,45.28 38.4,45.28 35.78,47.9 S30.1
Net-(D31-A): length 15.7
  Bottom w0.2: S31.1 54.83,47.9 57.45,45.28 66.65,45.28 66.99,45.62
Net-(D32-A): length 15.7
  Bottom w0.2: S32.1 73.88,47.9 76.5,45.28 85.7,45.28 86.04,45.62
Net-(D33-A): length 15.7
  Bottom w0.2: 105.09,45.62 104.75,45.28 95.55,45.28 92.93,47.9 S33.1
Net-(D34-A): length 15.7
  Bottom w0.2: S34.1 111.98,47.9 114.6,45.28 123.8,45.28 124.14,45.62
Net-(D35-A): length 15.7
  Bottom w0.2: 143.19,45.62 142.85,45.28 133.65,45.28 131.03,47.9 S35.1
Net-(D36-A): length 15.7
  Bottom w0.2: 162.24,45.62 161.9,45.28 152.7,45.28 150.08,47.9 S36.1
Net-(D37-A): length 15.7
  Bottom w0.2: 181.29,45.62 180.95,45.28 171.75,45.28 169.13,47.9 S37.1
Net-(D38-A): length 15.7
  Bottom w0.2: S38.1 188.18,47.9 190.8,45.28 200,45.28 200.34,45.62
Net-(D39-A): length 15.7
  Bottom w0.2: S39.1 207.23,47.9 209.85,45.28 219.05,45.28 219.39,45.62
Net-(D40-A): length 15.7
  Bottom w0.2: 238.44,45.62 238.1,45.28 228.9,45.28 226.28,47.9 S40.1
Net-(D41-A): length 15.7
  Bottom w0.2: S41.1 245.33,47.9 247.95,45.28 257.15,45.28 257.49,45.62
Net-(D42-A): length 15.7
  Bottom w0.2: 16.99,26.57 16.64,26.23 7.44,26.23 4.82,28.85 S42.1
Net-(D43-A): length 15.7
  Bottom w0.2: S43.1 26.25,28.85 28.88,26.23 38.07,26.23 38.42,26.57
Net-(D44-A): length 15.7
  Bottom w0.2: S44.1 45.3,28.85 47.93,26.23 57.12,26.23 57.47,26.57
Net-(D45-A): length 15.7
  Bottom w0.2: 76.52,26.57 76.17,26.23 66.98,26.23 64.35,28.85 S45.1
Net-(D46-A): length 15.7
  Bottom w0.2: 95.57,26.57 95.22,26.23 86.03,26.23 83.4,28.85 S46.1
Net-(D47-A): length 15.7
  Bottom w0.2: 114.62,26.57 114.27,26.23 105.08,26.23 102.45,28.85 S47.1
Net-(D48-A): length 15.7
  Bottom w0.2: S48.1 121.5,28.85 124.13,26.23 133.32,26.23 133.67,26.57
Net-(D49-A): length 15.7
  Bottom w0.2: 152.72,26.57 152.37,26.23 143.18,26.23 140.55,28.85 S49.1
Net-(D50-A): length 15.7
  Bottom w0.2: 171.77,26.57 171.42,26.23 162.23,26.23 159.6,28.85 S50.1
Net-(D51-A): length 15.7
  Bottom w0.2: 190.82,26.57 190.37,26.12 181.38,26.12 178.65,28.85 S51.1
Net-(D52-A): length 15.7
  Bottom w0.2: S52.1 197.7,28.85 200.33,26.23 209.52,26.23 209.87,26.57
Net-(D53-A): length 15.7
  Bottom w0.2: S53.1 216.75,28.85 219.38,26.23 228.57,26.23 228.92,26.57
Net-(D54-A): length 15.7
  Bottom w0.2: 264.64,26.57 264.29,26.23 255.09,26.23 252.47,28.85 S54.1
Net-(D55-A): length 15.7
  Bottom w0.2: S55.1 4.82,9.8 7.44,7.17 16.64,7.17 16.99,7.52
Net-(D56-A): length 15.7
  Bottom w0.2: 40.8,7.52 40.45,7.17 31.26,7.17 28.63,9.8 S56.1
Net-(D57-A): length 15.7
  Bottom w0.2: S57.1 52.45,9.8 55.07,7.17 64.27,7.17 64.61,7.52
Net-(D58-A): length 15.7
  Bottom w0.2: 136.05,7.52 135.7,7.17 126.51,7.17 123.88,9.8 S58.1
Net-(D59-A): length 15.7
  Bottom w0.2: 207.49,7.52 207.14,7.17 197.94,7.17 195.32,9.8 S59.1
Net-(D60-A): length 15.7
  Bottom w0.2: 231.3,7.52 230.95,7.17 221.76,7.17 219.13,9.8 S60.1
Net-(D61-A): length 15.7
  Bottom w0.2: 255.11,7.52 254.77,7.17 245.57,7.17 242.95,9.8 S61.1
Net-(D62-A): length 15.7
  Bottom w0.2: S62.1 266.76,9.8 269.38,7.17 278.58,7.17 278.92,7.52
Net-(U3-USB_DM): length 3.7
  Bottom w0.2: U3.46 109.81,6.31 R4.2
Net-(U3-USB_DP): length 3.5
  Bottom w0.2: U3.47 109.26,6.71 R3.2

## Copper pours and planes (outline as drawn; the poured copper is in the pictures)
+3V3 on In1.Cu: 0,95.25 0,0 285.75,0 285.75,95.25
GND on Top: 0,95.25 0,0 285.75,0 285.75,95.25
(no net) on Bottom, In2.Cu: 0,95.25 0,0 285.75,0 285.75,95.25
